# Altium PCB BMS Slave V0.1.PcbDoc (part 1 of 6) (continued)
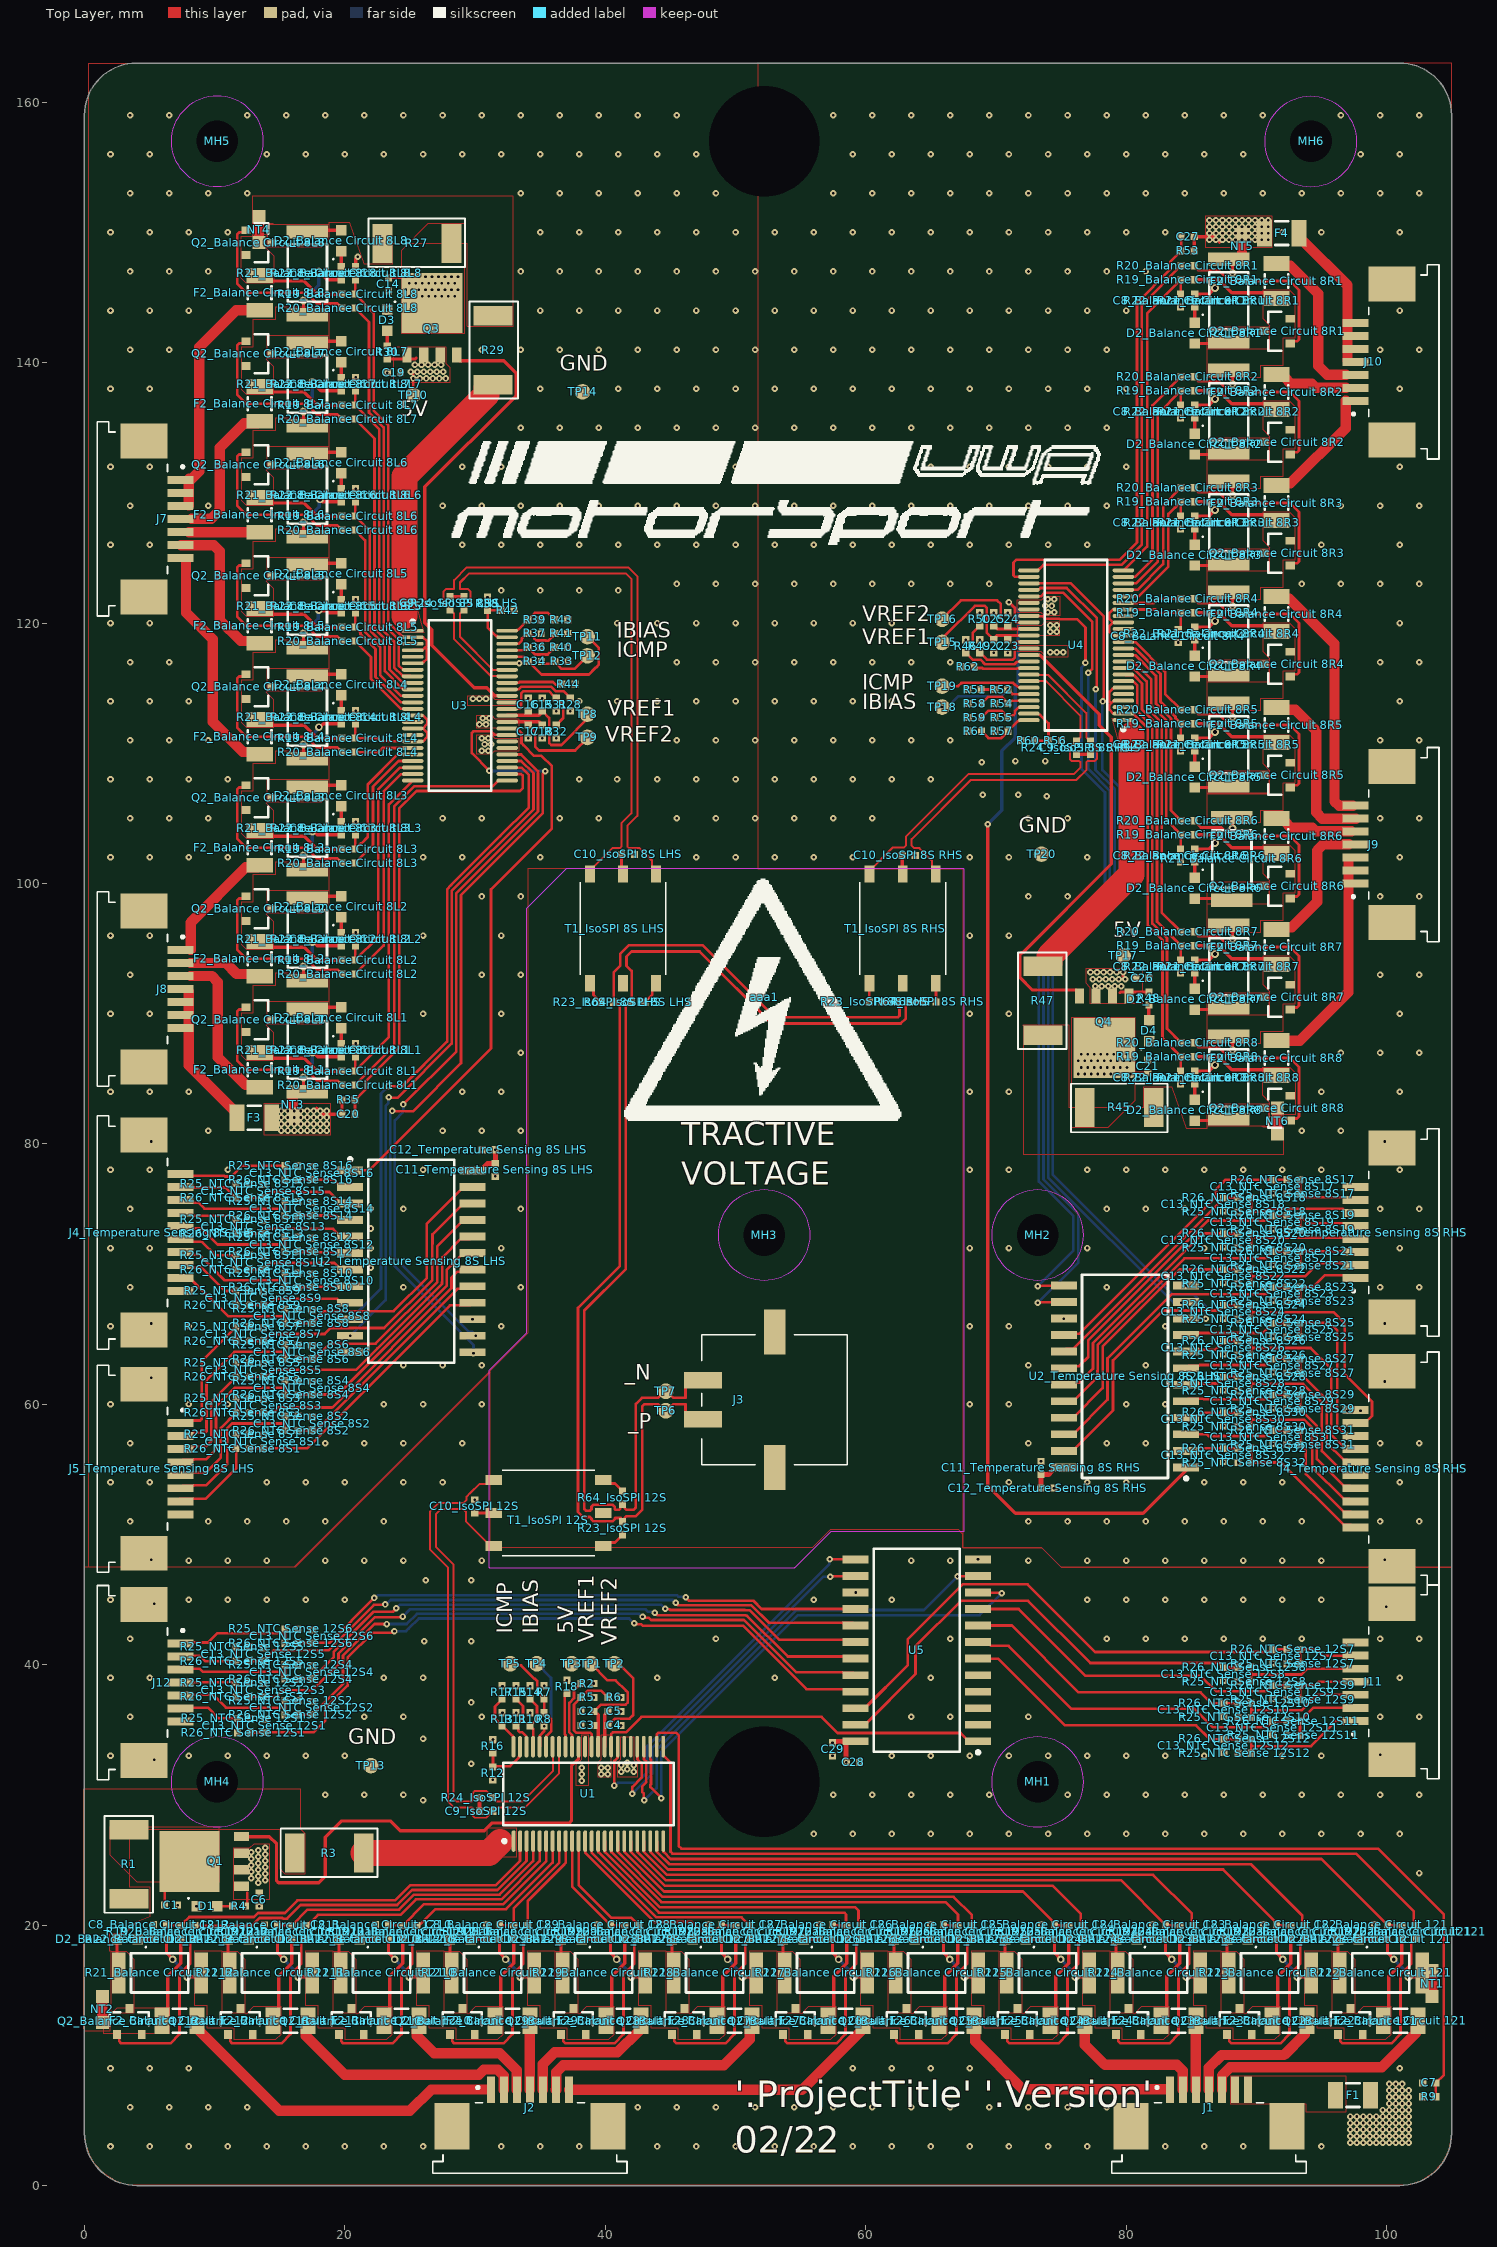
[diagram p0: Top Layer view]
## Design rules (kind name [scope] priority, off if disabled: settings) (continued)
RoomDefinition "NTC Sense 12S12" [InComponentClass('NTC Sense 12S12')] p14: confinementstyle=ConfineIn formatcopy=TRUE lockcomponents=FALSE outline 90.425,35.126 86.675,35.126 86.675,32.376 90.425,32.376
RoomDefinition "NTC Sense 12S1" [InComponentClass('NTC Sense 12S1')] p15: confinementstyle=ConfineIn formatcopy=TRUE lockcomponents=FALSE outline 10.825,33.95 14.575,33.95 14.575,36.7 10.825,36.7
RoomDefinition "NTC Sense 12S3" [InComponentClass('NTC Sense 12S3')] p16: confinementstyle=ConfineIn formatcopy=TRUE lockcomponents=FALSE outline 10.825,36.7 14.575,36.7 14.575,39.45 10.825,39.45
RoomDefinition "NTC Sense 12S5" [InComponentClass('NTC Sense 12S5')] p17: confinementstyle=ConfineIn formatcopy=TRUE lockcomponents=FALSE outline 10.825,39.45 14.575,39.45 14.575,42.2 10.825,42.2
RoomDefinition "NTC Sense 12S4" [InComponentClass('NTC Sense 12S4')] p18: confinementstyle=ConfineIn formatcopy=TRUE lockcomponents=FALSE outline 14.575,38.075 18.325,38.075 18.325,40.825 14.575,40.825
RoomDefinition "NTC Sense 12S6" [InComponentClass('NTC Sense 12S6')] p19: confinementstyle=ConfineIn formatcopy=TRUE lockcomponents=FALSE outline 14.575,40.825 18.325,40.825 18.325,43.575 14.575,43.575
RoomDefinition "NTC Sense 12S2" [InComponentClass('NTC Sense 12S2')] p20: confinementstyle=ConfineIn formatcopy=TRUE lockcomponents=FALSE outline 14.575,35.325 18.325,35.325 18.325,38.075 14.575,38.075
RoomDefinition "IsoSPI 12S" [InComponentClass('IsoSPI 12S')] p21: confinementstyle=ConfineIn formatcopy=TRUE lockcomponents=FALSE outline 29.15,27.925 42.15,27.925 42.15,56.025 29.15,56.025
RoomDefinition "Balance Circuit 1211" [InComponentClass('Balance Circuit 1211')] p22: confinementstyle=ConfineIn formatcopy=TRUE lockcomponents=FALSE outline 18.575,10.55 18.575,20.85 10.05,20.85 10.05,10.55
RoomDefinition "Balance Circuit 128" [InComponentClass('Balance Circuit 128')] p23: confinementstyle=ConfineIn formatcopy=TRUE lockcomponents=FALSE outline 44.15,10.55 44.15,20.85 35.625,20.85 35.625,10.55
RoomDefinition "Balance Circuit 129" [InComponentClass('Balance Circuit 129')] p24: confinementstyle=ConfineIn formatcopy=TRUE lockcomponents=FALSE outline 35.625,10.55 35.625,20.85 27.1,20.85 27.1,10.55
RoomDefinition "Balance Circuit 1210" [InComponentClass('Balance Circuit 1210')] p25: confinementstyle=ConfineIn formatcopy=TRUE lockcomponents=FALSE outline 27.1,10.55 27.1,20.85 18.575,20.85 18.575,10.55
RoomDefinition "Balance Circuit 121" [InComponentClass('Balance Circuit 121')] p26: confinementstyle=ConfineIn formatcopy=TRUE lockcomponents=FALSE outline 103.825,10.55 103.825,20.85 95.3,20.85 95.3,10.55
RoomDefinition "Balance Circuit 127" [InComponentClass('Balance Circuit 127')] p27: confinementstyle=ConfineIn formatcopy=TRUE lockcomponents=FALSE outline 52.675,10.55 52.675,20.85 44.15,20.85 44.15,10.55
RoomDefinition "Balance Circuit 126" [InComponentClass('Balance Circuit 126')] p28: confinementstyle=ConfineIn formatcopy=TRUE lockcomponents=FALSE outline 61.2,10.55 61.2,20.85 52.675,20.85 52.675,10.55
RoomDefinition "Balance Circuit 125" [InComponentClass('Balance Circuit 125')] p29: confinementstyle=ConfineIn formatcopy=TRUE lockcomponents=FALSE outline 69.725,10.55 69.725,20.85 61.2,20.85 61.2,10.55
RoomDefinition "Balance Circuit 124" [InComponentClass('Balance Circuit 124')] p30: confinementstyle=ConfineIn formatcopy=TRUE lockcomponents=FALSE outline 78.25,10.55 78.25,20.85 69.725,20.85 69.725,10.55
RoomDefinition "Balance Circuit 123" [InComponentClass('Balance Circuit 123')] p31: confinementstyle=ConfineIn formatcopy=TRUE lockcomponents=FALSE outline 86.775,10.55 86.775,20.85 78.25,20.85 78.25,10.55
RoomDefinition "Balance Circuit 122" [InComponentClass('Balance Circuit 122')] p32: confinementstyle=ConfineIn formatcopy=TRUE lockcomponents=FALSE outline 95.3,10.55 95.3,20.85 86.775,20.85 86.775,10.55
RoomDefinition "NTC Sense 8S2" [InComponentClass('NTC Sense 8S2')] p33: confinementstyle=ConfineIn formatcopy=TRUE lockcomponents=FALSE outline 14.575,57.149 18.325,57.149 18.325,59.899 14.575,59.899
RoomDefinition "NTC Sense 8S1" [InComponentClass('NTC Sense 8S1')] p34: confinementstyle=ConfineIn formatcopy=TRUE lockcomponents=FALSE outline 10.825,55.774 14.575,55.774 14.575,58.524 10.825,58.524
RoomDefinition "NTC Sense 8S3" [InComponentClass('NTC Sense 8S3')] p35: confinementstyle=ConfineIn formatcopy=TRUE lockcomponents=FALSE outline 10.825,58.524 14.575,58.524 14.575,61.274 10.825,61.274
RoomDefinition "NTC Sense 8S14" [InComponentClass('NTC Sense 8S14')] p36: confinementstyle=ConfineIn formatcopy=TRUE lockcomponents=FALSE outline 14.575,73.649 18.325,73.649 18.325,76.399 14.575,76.399
RoomDefinition "NTC Sense 8S12" [InComponentClass('NTC Sense 8S12')] p37: confinementstyle=ConfineIn formatcopy=TRUE lockcomponents=FALSE outline 14.575,70.899 18.325,70.899 18.325,73.649 14.575,73.649
RoomDefinition "NTC Sense 8S16" [InComponentClass('NTC Sense 8S16')] p38: confinementstyle=ConfineIn formatcopy=TRUE lockcomponents=FALSE outline 14.575,76.399 18.325,76.399 18.325,79.149 14.575,79.149
RoomDefinition "NTC Sense 8S8" [InComponentClass('NTC Sense 8S8')] p39: confinementstyle=ConfineIn formatcopy=TRUE lockcomponents=FALSE outline 14.575,65.399 18.325,65.399 18.325,68.149 14.575,68.149
RoomDefinition "NTC Sense 8S10" [InComponentClass('NTC Sense 8S10')] p40: confinementstyle=ConfineIn formatcopy=TRUE lockcomponents=FALSE outline 14.575,68.149 18.325,68.149 18.325,70.899 14.575,70.899
RoomDefinition "NTC Sense 8S4" [InComponentClass('NTC Sense 8S4')] p41: confinementstyle=ConfineIn formatcopy=TRUE lockcomponents=FALSE outline 14.575,59.899 18.325,59.899 18.325,62.649 14.575,62.649
RoomDefinition "NTC Sense 8S6" [InComponentClass('NTC Sense 8S6')] p42: confinementstyle=ConfineIn formatcopy=TRUE lockcomponents=FALSE outline 14.575,62.649 18.325,62.649 18.325,65.399 14.575,65.399
RoomDefinition "NTC Sense 8S7" [InComponentClass('NTC Sense 8S7')] p43: confinementstyle=ConfineIn formatcopy=TRUE lockcomponents=FALSE outline 10.825,64.024 14.575,64.024 14.575,66.774 10.825,66.774
RoomDefinition "NTC Sense 8S15" [InComponentClass('NTC Sense 8S15')] p44: confinementstyle=ConfineIn formatcopy=TRUE lockcomponents=FALSE outline 10.825,75.024 14.575,75.024 14.575,77.774 10.825,77.774
RoomDefinition "NTC Sense 8S13" [InComponentClass('NTC Sense 8S13')] p45: confinementstyle=ConfineIn formatcopy=TRUE lockcomponents=FALSE outline 10.825,72.274 14.575,72.274 14.575,75.024 10.825,75.024
RoomDefinition "NTC Sense 8S9" [InComponentClass('NTC Sense 8S9')] p46: confinementstyle=ConfineIn formatcopy=TRUE lockcomponents=FALSE outline 10.825,66.774 14.575,66.774 14.575,69.524 10.825,69.524
RoomDefinition "NTC Sense 8S11" [InComponentClass('NTC Sense 8S11')] p47: confinementstyle=ConfineIn formatcopy=TRUE lockcomponents=FALSE outline 10.825,69.524 14.575,69.524 14.575,72.274 10.825,72.274
RoomDefinition "NTC Sense 8S5" [InComponentClass('NTC Sense 8S5')] p48: confinementstyle=ConfineIn formatcopy=TRUE lockcomponents=FALSE outline 10.825,61.274 14.575,61.274 14.575,64.024 10.825,64.024
RoomDefinition "NTC Sense 8S32" [InComponentClass('NTC Sense 8S32')] p49: confinementstyle=ConfineIn formatcopy=TRUE lockcomponents=FALSE outline 90.425,57.451 86.675,57.451 86.675,54.701 90.425,54.701
RoomDefinition "NTC Sense 8S31" [InComponentClass('NTC Sense 8S31')] p50: confinementstyle=ConfineIn formatcopy=TRUE lockcomponents=FALSE outline 94.175,58.826 90.425,58.826 90.425,56.076 94.175,56.076
RoomDefinition "NTC Sense 8S30" [InComponentClass('NTC Sense 8S30')] p51: confinementstyle=ConfineIn formatcopy=TRUE lockcomponents=FALSE outline 90.425,60.201 86.675,60.201 86.675,57.451 90.425,57.451
RoomDefinition "NTC Sense 8S29" [InComponentClass('NTC Sense 8S29')] p52: confinementstyle=ConfineIn formatcopy=TRUE lockcomponents=FALSE outline 94.175,61.576 90.425,61.576 90.425,58.826 94.175,58.826
RoomDefinition "NTC Sense 8S28" [InComponentClass('NTC Sense 8S28')] p53: confinementstyle=ConfineIn formatcopy=TRUE lockcomponents=FALSE outline 90.425,62.951 86.675,62.951 86.675,60.201 90.425,60.201
RoomDefinition "NTC Sense 8S27" [InComponentClass('NTC Sense 8S27')] p54: confinementstyle=ConfineIn formatcopy=TRUE lockcomponents=FALSE outline 94.175,64.326 90.425,64.326 90.425,61.576 94.175,61.576
RoomDefinition "NTC Sense 8S26" [InComponentClass('NTC Sense 8S26')] p55: confinementstyle=ConfineIn formatcopy=TRUE lockcomponents=FALSE outline 90.425,65.701 86.675,65.701 86.675,62.951 90.425,62.951
RoomDefinition "NTC Sense 8S25" [InComponentClass('NTC Sense 8S25')] p56: confinementstyle=ConfineIn formatcopy=TRUE lockcomponents=FALSE outline 94.175,67.076 90.425,67.076 90.425,64.326 94.175,64.326
RoomDefinition "NTC Sense 8S24" [InComponentClass('NTC Sense 8S24')] p57: confinementstyle=ConfineIn formatcopy=TRUE lockcomponents=FALSE outline 90.425,68.451 86.675,68.451 86.675,65.701 90.425,65.701
RoomDefinition "NTC Sense 8S23" [InComponentClass('NTC Sense 8S23')] p58: confinementstyle=ConfineIn formatcopy=TRUE lockcomponents=FALSE outline 94.175,69.826 90.425,69.826 90.425,67.076 94.175,67.076
RoomDefinition "NTC Sense 8S22" [InComponentClass('NTC Sense 8S22')] p59: confinementstyle=ConfineIn formatcopy=TRUE lockcomponents=FALSE outline 90.425,71.201 86.675,71.201 86.675,68.451 90.425,68.451
RoomDefinition "NTC Sense 8S21" [InComponentClass('NTC Sense 8S21')] p60: confinementstyle=ConfineIn formatcopy=TRUE lockcomponents=FALSE outline 94.175,72.576 90.425,72.576 90.425,69.826 94.175,69.826
RoomDefinition "NTC Sense 8S20" [InComponentClass('NTC Sense 8S20')] p61: confinementstyle=ConfineIn formatcopy=TRUE lockcomponents=FALSE outline 90.425,73.951 86.675,73.951 86.675,71.201 90.425,71.201
RoomDefinition "NTC Sense 8S19" [InComponentClass('NTC Sense 8S19')] p62: confinementstyle=ConfineIn formatcopy=TRUE lockcomponents=FALSE outline 94.175,75.326 90.425,75.326 90.425,72.576 94.175,72.576
RoomDefinition "NTC Sense 8S18" [InComponentClass('NTC Sense 8S18')] p63: confinementstyle=ConfineIn formatcopy=TRUE lockcomponents=FALSE outline 90.425,76.701 86.675,76.701 86.675,73.951 90.425,73.951
RoomDefinition "NTC Sense 8S17" [InComponentClass('NTC Sense 8S17')] p64: confinementstyle=ConfineIn formatcopy=TRUE lockcomponents=FALSE outline 94.175,78.076 90.425,78.076 90.425,75.326 94.175,75.326
RoomDefinition "Balance Circuit 8R3" [InComponentClass('Balance Circuit 8R3')] p65: confinementstyle=ConfineIn formatcopy=TRUE lockcomponents=FALSE outline 93.5,131.95 83.35,131.95 83.35,123.325 93.5,123.325
RoomDefinition "Balance Circuit 8R2" [InComponentClass('Balance Circuit 8R2')] p66: confinementstyle=ConfineIn formatcopy=TRUE lockcomponents=FALSE outline 93.5,140.475 83.35,140.475 83.35,131.85 93.5,131.85
RoomDefinition "Balance Circuit 8R1" [InComponentClass('Balance Circuit 8R1')] p67: confinementstyle=ConfineIn formatcopy=TRUE lockcomponents=FALSE outline 93.5,149 83.35,149 83.35,140.375 93.5,140.375
RoomDefinition "Balance Circuit 8R7" [InComponentClass('Balance Circuit 8R7')] p68: confinementstyle=ConfineIn formatcopy=TRUE lockcomponents=FALSE outline 93.5,97.85 83.35,97.85 83.35,89.225 93.5,89.225
RoomDefinition "Balance Circuit 8R6" [InComponentClass('Balance Circuit 8R6')] p69: confinementstyle=ConfineIn formatcopy=TRUE lockcomponents=FALSE outline 93.5,106.175 83.35,106.175 83.35,97.65 93.5,97.65
RoomDefinition "Balance Circuit 8R5" [InComponentClass('Balance Circuit 8R5')] p70: confinementstyle=ConfineIn formatcopy=TRUE lockcomponents=FALSE outline 93.5,114.9 83.35,114.9 83.35,106.275 93.5,106.275
RoomDefinition "Balance Circuit 8R4" [InComponentClass('Balance Circuit 8R4')] p71: confinementstyle=ConfineIn formatcopy=TRUE lockcomponents=FALSE outline 93.5,123.425 83.35,123.425 83.35,114.8 93.5,114.8
RoomDefinition "IsoSPI 8S RHS" [InComponentClass('IsoSPI 8S RHS')] p72: confinementstyle=ConfineIn formatcopy=TRUE lockcomponents=FALSE outline 58,90 78.5,90 78.5,112 58,112
RoomDefinition "Balance Circuit 8R8" [InComponentClass('Balance Circuit 8R8')] p73: confinementstyle=ConfineIn formatcopy=TRUE lockcomponents=FALSE outline 93.5,89.325 83.35,89.325 83.35,80.7 93.5,80.7
RoomDefinition "IsoSPI 8S LHS" [InComponentClass('IsoSPI 8S LHS')] p74: confinementstyle=ConfineIn formatcopy=TRUE lockcomponents=FALSE outline 27.25,90 45.75,90 45.75,123 27.25,123
RoomDefinition "Balance Circuit 8L1" [InComponentClass('Balance Circuit 8L1')] p75: confinementstyle=ConfineIn formatcopy=TRUE lockcomponents=FALSE outline 11.35,82.935 21.65,82.935 21.65,91.46 11.35,91.46
RoomDefinition "Balance Circuit 8L2" [InComponentClass('Balance Circuit 8L2')] p76: confinementstyle=ConfineIn formatcopy=TRUE lockcomponents=FALSE outline 11.35,91.46 21.65,91.46 21.65,99.985 11.35,99.985
RoomDefinition "Balance Circuit 8L3" [InComponentClass('Balance Circuit 8L3')] p77: confinementstyle=ConfineIn formatcopy=TRUE lockcomponents=FALSE outline 11.35,99.985 21.65,99.985 21.65,108.51 11.35,108.51
RoomDefinition "Balance Circuit 8L4" [InComponentClass('Balance Circuit 8L4')] p78: confinementstyle=ConfineIn formatcopy=TRUE lockcomponents=FALSE outline 11.35,108.51 21.65,108.51 21.65,117.035 11.35,117.035
RoomDefinition "Balance Circuit 8L5" [InComponentClass('Balance Circuit 8L5')] p79: confinementstyle=ConfineIn formatcopy=TRUE lockcomponents=FALSE outline 11.35,117.035 21.65,117.035 21.65,125.56 11.35,125.56
RoomDefinition "Balance Circuit 8L6" [InComponentClass('Balance Circuit 8L6')] p80: confinementstyle=ConfineIn formatcopy=TRUE lockcomponents=FALSE outline 11.35,125.56 21.65,125.56 21.65,134.085 11.35,134.085
RoomDefinition "Balance Circuit 8L7" [InComponentClass('Balance Circuit 8L7')] p81: confinementstyle=ConfineIn formatcopy=TRUE lockcomponents=FALSE outline 11.35,134.085 21.65,134.085 21.65,142.61 11.35,142.61
RoomDefinition "Balance Circuit 8L8" [InComponentClass('Balance Circuit 8L8')] p82: confinementstyle=ConfineIn formatcopy=TRUE lockcomponents=FALSE outline 11.35,142.61 21.65,142.61 21.65,151.135 11.35,151.135
RoutingVias [All] p1: holewidth=0.3 width=0.6 viastyle="Through Hole" minholewidth=0.2 minwidth=0.4 maxholewidth=0.4 maxwidth=0.7
ShortCircuit ShortCircuit_NT [HasFootprint('NetTie')] p1: allowed=TRUE
ShortCircuit [All] p2: allowed=FALSE
SilkToSilkClearance [All] p1: silktosilkclearance=0
SilkToSolderMaskClearance [IsPad] p1: minsilkscreentomaskgap=0.152 clearancetoexposedcopper=TRUE
SolderMaskExpansion SolderMaskExpansion_NT [HasFootprint('NetTie')] p1: expansion=0.102 istentingtop=TRUE
SolderMaskExpansion SolderMaskExpansion_Via [isvia] p2: expansion=0.102 istentingtop=TRUE
SolderMaskExpansion [All] p3: expansion=0.051 istentingtop=FALSE
Width [All] p1: maxlimit=2.54 minlimit=0.203 preferedwidth=0.203
20 further rules are at their usual default settings.

## Classes and differential pairs
differential pair class isoSPI_BUS: isoSPI_Bus_1 "isoT_IsoSPI 8S LHS" "isoT_IsoSPI 8S RHS" "isoT_IsoSPI 12S"
net class IsoComms: isoSPI_Bus_1_N isoSPI_Bus_1_P
net class HighCurrent: 5V0_8L_1 5V0_8R_1 5V0_12_1 NetC1_2 NetC14_2 NetC21_2 V8L_0_4 V8R_0_5 V12_0_2 VBat8L VBat8R VBat12_12
component class "NTC Sense 12S12": "C13_NTC Sense 12S12" "R25_NTC Sense 12S12" "R26_NTC Sense 12S12"
component class "NTC Sense 12S11": "C13_NTC Sense 12S11" "R25_NTC Sense 12S11" "R26_NTC Sense 12S11"
component class "NTC Sense 12S10": "C13_NTC Sense 12S10" "R25_NTC Sense 12S10" "R26_NTC Sense 12S10"
component class "NTC Sense 12S9": "C13_NTC Sense 12S9" "R25_NTC Sense 12S9" "R26_NTC Sense 12S9"
component class "NTC Sense 12S8": "C13_NTC Sense 12S8" "R25_NTC Sense 12S8" "R26_NTC Sense 12S8"
component class "NTC Sense 12S7": "C13_NTC Sense 12S7" "R25_NTC Sense 12S7" "R26_NTC Sense 12S7"
component class "NTC Sense 12S6": "C13_NTC Sense 12S6" "R25_NTC Sense 12S6" "R26_NTC Sense 12S6"
component class "NTC Sense 12S5": "C13_NTC Sense 12S5" "R25_NTC Sense 12S5" "R26_NTC Sense 12S5"
component class "NTC Sense 12S4": "C13_NTC Sense 12S4" "R25_NTC Sense 12S4" "R26_NTC Sense 12S4"
component class "NTC Sense 12S3": "C13_NTC Sense 12S3" "R25_NTC Sense 12S3" "R26_NTC Sense 12S3"
component class "NTC Sense 12S2": "C13_NTC Sense 12S2" "R25_NTC Sense 12S2" "R26_NTC Sense 12S2"
component class "NTC Sense 12S1": "C13_NTC Sense 12S1" "R25_NTC Sense 12S1" "R26_NTC Sense 12S1"
component class "NTC Sense 8S32": "C13_NTC Sense 8S32" "R25_NTC Sense 8S32" "R26_NTC Sense 8S32"
component class "NTC Sense 8S31": "C13_NTC Sense 8S31" "R25_NTC Sense 8S31" "R26_NTC Sense 8S31"
component class "NTC Sense 8S30": "C13_NTC Sense 8S30" "R25_NTC Sense 8S30" "R26_NTC Sense 8S30"
component class "NTC Sense 8S29": "C13_NTC Sense 8S29" "R25_NTC Sense 8S29" "R26_NTC Sense 8S29"
component class "NTC Sense 8S28": "C13_NTC Sense 8S28" "R25_NTC Sense 8S28" "R26_NTC Sense 8S28"
component class "NTC Sense 8S27": "C13_NTC Sense 8S27" "R25_NTC Sense 8S27" "R26_NTC Sense 8S27"
component class "NTC Sense 8S26": "C13_NTC Sense 8S26" "R25_NTC Sense 8S26" "R26_NTC Sense 8S26"
component class "NTC Sense 8S25": "C13_NTC Sense 8S25" "R25_NTC Sense 8S25" "R26_NTC Sense 8S25"
component class "NTC Sense 8S24": "C13_NTC Sense 8S24" "R25_NTC Sense 8S24" "R26_NTC Sense 8S24"
component class "NTC Sense 8S23": "C13_NTC Sense 8S23" "R25_NTC Sense 8S23" "R26_NTC Sense 8S23"
component class "NTC Sense 8S22": "C13_NTC Sense 8S22" "R25_NTC Sense 8S22" "R26_NTC Sense 8S22"
component class "NTC Sense 8S21": "C13_NTC Sense 8S21" "R25_NTC Sense 8S21" "R26_NTC Sense 8S21"
component class "NTC Sense 8S20": "C13_NTC Sense 8S20" "R25_NTC Sense 8S20" "R26_NTC Sense 8S20"
component class "NTC Sense 8S19": "C13_NTC Sense 8S19" "R25_NTC Sense 8S19" "R26_NTC Sense 8S19"
component class "NTC Sense 8S18": "C13_NTC Sense 8S18" "R25_NTC Sense 8S18" "R26_NTC Sense 8S18"
component class "NTC Sense 8S17": "C13_NTC Sense 8S17" "R25_NTC Sense 8S17" "R26_NTC Sense 8S17"
component class "NTC Sense 8S16": "C13_NTC Sense 8S16" "R25_NTC Sense 8S16" "R26_NTC Sense 8S16"
component class "NTC Sense 8S15": "C13_NTC Sense 8S15" "R25_NTC Sense 8S15" "R26_NTC Sense 8S15"
component class "NTC Sense 8S14": "C13_NTC Sense 8S14" "R25_NTC Sense 8S14" "R26_NTC Sense 8S14"
component class "NTC Sense 8S13": "C13_NTC Sense 8S13" "R25_NTC Sense 8S13" "R26_NTC Sense 8S13"
component class "NTC Sense 8S12": "C13_NTC Sense 8S12" "R25_NTC Sense 8S12" "R26_NTC Sense 8S12"
component class "NTC Sense 8S11": "C13_NTC Sense 8S11" "R25_NTC Sense 8S11" "R26_NTC Sense 8S11"
component class "NTC Sense 8S10": "C13_NTC Sense 8S10" "R25_NTC Sense 8S10" "R26_NTC Sense 8S10"
component class "NTC Sense 8S9": "C13_NTC Sense 8S9" "R25_NTC Sense 8S9" "R26_NTC Sense 8S9"
component class "NTC Sense 8S8": "C13_NTC Sense 8S8" "R25_NTC Sense 8S8" "R26_NTC Sense 8S8"
component class "NTC Sense 8S7": "C13_NTC Sense 8S7" "R25_NTC Sense 8S7" "R26_NTC Sense 8S7"
component class "NTC Sense 8S6": "C13_NTC Sense 8S6" "R25_NTC Sense 8S6" "R26_NTC Sense 8S6"
component class "NTC Sense 8S5": "C13_NTC Sense 8S5" "R25_NTC Sense 8S5" "R26_NTC Sense 8S5"
component class "NTC Sense 8S4": "C13_NTC Sense 8S4" "R25_NTC Sense 8S4" "R26_NTC Sense 8S4"
component class "NTC Sense 8S3": "C13_NTC Sense 8S3" "R25_NTC Sense 8S3" "R26_NTC Sense 8S3"
component class "NTC Sense 8S2": "C13_NTC Sense 8S2" "R25_NTC Sense 8S2" "R26_NTC Sense 8S2"
component class "NTC Sense 8S1": "C13_NTC Sense 8S1" "R25_NTC Sense 8S1" "R26_NTC Sense 8S1"
channel class "Temperature Sensing 8S V0.1": "Temperature Sensing 8S LHS" "Temperature Sensing 8S RHS"
net class Out[16..1]: Out1 Out2 Out3 Out4 Out5 Out6 Out7 Out8 Out9 Out10 Out11 Out12
net class NTC[12..1]: NTC1 NTC2 NTC3 NTC4 NTC5 NTC6 NTC7 NTC8 NTC9 NTC10 NTC11 NTC12
component class "Temperature Sensing 12S RHS": C28 C29 J11 J12 U5
differential pair class isoSPI: "isoSPI._IsoSPI 8S LHS" "isoSPI._IsoSPI 8S RHS" "isoSPI._IsoSPI 12S"
net class "Temperature Sensing 8S RHS_Nets": "NTC1_Temperature Sensing 8S RHS" "NTC2_Temperature Sensing 8S RHS" "NTC3_Temperature Sensing 8S RHS" "NTC4_Temperature Sensing 8S RHS" "NTC5_Temperature Sensing 8S RHS" "NTC6_Temperature Sensing 8S RHS" "NTC7_Temperature Sensing 8S RHS" "NTC8_Temperature Sensing 8S RHS" "NTC9_Temperature Sensing 8S RHS" "NTC10_Temperature Sensing 8S RHS" "NTC11_Temperature Sensing 8S RHS" "NTC12_Temperature Sensing 8S RHS" "NTC13_Temperature Sensing 8S RHS" "NTC14_Temperature Sensing 8S RHS" "NTC15_Temperature Sensing 8S RHS" "NTC16_Temperature Sensing 8S RHS" "Out1_Temperature Sensing 8S RHS" "Out2_Temperature Sensing 8S RHS" "Out3_Temperature Sensing 8S RHS" "Out4_Temperature Sensing 8S RHS" "Out5_Temperature Sensing 8S RHS" "Out6_Temperature Sensing 8S RHS" "Out7_Temperature Sensing 8S RHS" "Out8_Temperature Sensing 8S RHS" "Out9_Temperature Sensing 8S RHS" "Out10_Temperature Sensing 8S RHS" "Out11_Temperature Sensing 8S RHS" "Out12_Temperature Sensing 8S RHS" "Out13_Temperature Sensing 8S RHS" "Out14_Temperature Sensing 8S RHS" "Out15_Temperature Sensing 8S RHS" "Out16_Temperature Sensing 8S RHS"
net class "Temperature Sensing 8S LHS_Nets": "NTC1_Temperature Sensing 8S LHS" "NTC2_Temperature Sensing 8S LHS" "NTC3_Temperature Sensing 8S LHS" "NTC4_Temperature Sensing 8S LHS" "NTC5_Temperature Sensing 8S LHS" "NTC6_Temperature Sensing 8S LHS" "NTC7_Temperature Sensing 8S LHS" "NTC8_Temperature Sensing 8S LHS" "NTC9_Temperature Sensing 8S LHS" "NTC10_Temperature Sensing 8S LHS" "NTC11_Temperature Sensing 8S LHS" "NTC12_Temperature Sensing 8S LHS" "NTC13_Temperature Sensing 8S LHS" "NTC14_Temperature Sensing 8S LHS" "NTC15_Temperature Sensing 8S LHS" "NTC16_Temperature Sensing 8S LHS" "Out1_Temperature Sensing 8S LHS" "Out2_Temperature Sensing 8S LHS" "Out3_Temperature Sensing 8S LHS" "Out4_Temperature Sensing 8S LHS" "Out5_Temperature Sensing 8S LHS" "Out6_Temperature Sensing 8S LHS" "Out7_Temperature Sensing 8S LHS" "Out8_Temperature Sensing 8S LHS" "Out9_Temperature Sensing 8S LHS" "Out10_Temperature Sensing 8S LHS" "Out11_Temperature Sensing 8S LHS" "Out12_Temperature Sensing 8S LHS" "Out13_Temperature Sensing 8S LHS" "Out14_Temperature Sensing 8S LHS" "Out15_Temperature Sensing 8S LHS" "Out16_Temperature Sensing 8S LHS"
net class "IsoSPI 12S_Nets": "isoT_IsoSPI 12S_N" "isoT_IsoSPI 12S_P" "NetC9_IsoSPI 12S_2" "NetC10_IsoSPI 12S_2" "NetT1_IsoSPI 12S_2"
net class "IsoSPI 8S RHS_Nets": "isoT_IsoSPI 8S RHS_N" "isoT_IsoSPI 8S RHS_P" "NetC9_IsoSPI 8S RHS_2" "NetC10_IsoSPI 8S RHS_2" "NetT1_IsoSPI 8S RHS_2"
net class "IsoSPI 8S LHS_Nets": "isoT_IsoSPI 8S LHS_N" "isoT_IsoSPI 8S LHS_P" "NetC9_IsoSPI 8S LHS_2" "NetC10_IsoSPI 8S LHS_2" "NetT1_IsoSPI 8S LHS_2"
component class "Cell Monitor 8S RHS": C21 C22 C23 C24 C25 C26 C27 D4 F4 J9 J10 NT5 NT6 Q4 R45 R46 R47 R48 R49 R50 R51 R52 R53 R54 R55 R56 R57 R58 R59 R60 R61 R62 TP15 TP16 TP17 TP18 TP19 TP20 U4
component class "Cell Monitor 8S LHS": C14 C15 C16 C17 C18 C19 C20 D3 F3 J7 J8 NT3 NT4 Q3 R27 R28 R29 R30 R31 R32 R33 R34 R35 R36 R37 R38 R39 R40 R41 R42 R43 R44 TP8 TP9 TP10 TP11 TP12 TP14 U3
channel class "NTC Sense V0.1": "NTC Sense 8S1" "NTC Sense 8S2" "NTC Sense 8S3" "NTC Sense 8S4" "NTC Sense 8S5" "NTC Sense 8S6" "NTC Sense 8S7" "NTC Sense 8S8" "NTC Sense 8S9" "NTC Sense 8S10" "NTC Sense 8S11" "NTC Sense 8S12" "NTC Sense 8S13" "NTC Sense 8S14" "NTC Sense 8S15" "NTC Sense 8S16" "NTC Sense 8S17" "NTC Sense 8S18" "NTC Sense 8S19" "NTC Sense 8S20" "NTC Sense 8S21" "NTC Sense 8S22" "NTC Sense 8S23" "NTC Sense 8S24" "NTC Sense 8S25" "NTC Sense 8S26" "NTC Sense 8S27" "NTC Sense 8S28" "NTC Sense 8S29" "NTC Sense 8S30" "NTC Sense 8S31" "NTC Sense 8S32" "NTC Sense 12S1" "NTC Sense 12S2" "NTC Sense 12S3" "NTC Sense 12S4" "NTC Sense 12S5" "NTC Sense 12S6" "NTC Sense 12S7" "NTC Sense 12S8" "NTC Sense 12S9" "NTC Sense 12S10" "NTC Sense 12S11" "NTC Sense 12S12" "NTC Sense 12S13" "NTC Sense 12S14" "NTC Sense 12S15" "NTC Sense 12S16"
channel class "IsoSPI V0.1": "IsoSPI 8S LHS" "IsoSPI 8S RHS" "IsoSPI 12S"
channel class "Balance V0.1": "Balance Circuit 8L1" "Balance Circuit 8L2" "Balance Circuit 8L3" "Balance Circuit 8L4" "Balance Circuit 8L5" "Balance Circuit 8L6" "Balance Circuit 8L7" "Balance Circuit 8L8" "Balance Circuit 8R1" "Balance Circuit 8R2" "Balance Circuit 8R3" "Balance Circuit 8R4" "Balance Circuit 8R5" "Balance Circuit 8R6" "Balance Circuit 8R7" "Balance Circuit 8R8" "Balance Circuit 121" "Balance Circuit 122" "Balance Circuit 123" "Balance Circuit 124" "Balance Circuit 125" "Balance Circuit 126" "Balance Circuit 127" "Balance Circuit 128" "Balance Circuit 129" "Balance Circuit 1210" "Balance Circuit 1211" "Balance Circuit 1212"
net class V12_[1..12]: V12_1 V12_2 V12_3 V12_4 V12_5 V12_6 V12_7 V12_8 V12_9 V12_10 V12_11 V12_12
net class V8R_[1..8]: V8R_1 V8R_2 V8R_3 V8R_4 V8R_5 V8R_6 V8R_7 V8R_8
net class V8L_[1..8]: V8L_1 V8L_2 V8L_3 V8L_4 V8L_5 V8L_6 V8L_7 V8L_8
net class T12_[1..12]: B12_2 B12_3 B12_4 B12_5 B12_6 B12_7 B12_8 B12_9 B12_10 B12_11 B12_12 T12_12
net class T8R_[1..8]: B8R_2 B8R_3 B8R_4 B8R_5 B8R_6 B8R_7 B8R_8 T8R_8
net class T8L_[1..8]: B8L_2 B8L_3 B8L_4 B8L_5 B8L_6 B8L_7 B8L_8 T8L_8
net class S12_[1..12]: S12_1 S12_2 S12_3 S12_4 S12_5 S12_6 S12_7 S12_8 S12_9 S12_10 S12_11 S12_12
net class S8R_[1..8]: S8R_1 S8R_2 S8R_3 S8R_4 S8R_5 S8R_6 S8R_7 S8R_8
net class S8L_[1..8]: S8L_1 S8L_2 S8L_3 S8L_4 S8L_5 S8L_6 S8L_7 S8L_8
net class C12_[1..12]: C12_1 C12_2 C12_3 C12_4 C12_5 C12_6 C12_7 C12_8 C12_9 C12_10 C12_11 C12_12
net class C8R_[1..8]: C8R_1 C8R_2 C8R_3 C8R_4 C8R_5 C8R_6 C8R_7 C8R_8
net class C8L_[1..8]: C8L_1 C8L_2 C8L_3 C8L_4 C8L_5 C8L_6 C8L_7 C8L_8
net class BalanceNetClass: B8L_1 B8L_2 B8L_3 B8L_4 B8L_5 B8L_6 B8L_7 B8L_8 B8R_1 B8R_2 B8R_3 B8R_4 B8R_5 B8R_6 B8R_7 B8R_8 B12_1 B12_2 B12_3 B12_4 B12_5 B12_6 B12_7 B12_8 B12_9 B12_10 B12_11 B12_12 "NetD2_Balance Circuit 8L1_2" "NetD2_Balance Circuit 8L2_2" "NetD2_Balance Circuit 8L3_2" "NetD2_Balance Circuit 8L4_2" "NetD2_Balance Circuit 8L5_2" "NetD2_Balance Circuit 8L6_2" "NetD2_Balance Circuit 8L7_2" "NetD2_Balance Circuit 8L8_2" "NetD2_Balance Circuit 8R1_2" "NetD2_Balance Circuit 8R2_2" "NetD2_Balance Circuit 8R3_2" "NetD2_Balance Circuit 8R4_2" "NetD2_Balance Circuit 8R5_2" "NetD2_Balance Circuit 8R6_2" "NetD2_Balance Circuit 8R7_2" "NetD2_Balance Circuit 8R8_2" "NetD2_Balance Circuit 121_2" "NetD2_Balance Circuit 122_2" "NetD2_Balance Circuit 123_2" "NetD2_Balance Circuit 124_2" "NetD2_Balance Circuit 125_2" "NetD2_Balance Circuit 126_2" "NetD2_Balance Circuit 127_2" "NetD2_Balance Circuit 128_2" "NetD2_Balance Circuit 129_2" "NetD2_Balance Circuit 1210_2" "NetD2_Balance Circuit 1211_2" "NetD2_Balance Circuit 1212_2" T8L_8 T8R_8 T12_12
net class B12_[1..12]: B12_1 B12_2 B12_3 B12_4 B12_5 B12_6 B12_7 B12_8 B12_9 B12_10 B12_11 B12_12
net class B8R_[1..8]: B8R_1 B8R_2 B8R_3 B8R_4 B8R_5 B8R_6 B8R_7 B8R_8
net class B8L_[1..8]: B8L_1 B8L_2 B8L_3 B8L_4 B8L_5 B8L_6 B8L_7 B8L_8
component class "Temperature Sensing 8S LHS": "C11_Temperature Sensing 8S LHS" "C12_Temperature Sensing 8S LHS" "J4_Temperature Sensing 8S LHS" "J5_Temperature Sensing 8S LHS" "U2_Temperature Sensing 8S LHS"
component class "Temperature Sensing 8S RHS": "C11_Temperature Sensing 8S RHS" "C12_Temperature Sensing 8S RHS" "J4_Temperature Sensing 8S RHS" "J5_Temperature Sensing 8S RHS" "U2_Temperature Sensing 8S RHS"
component class "IsoSPI 12S": "C9_IsoSPI 12S" "C10_IsoSPI 12S" "R23_IsoSPI 12S" "R24_IsoSPI 12S" "R64_IsoSPI 12S" "T1_IsoSPI 12S"
component class "IsoSPI 8S LHS": "C9_IsoSPI 8S LHS" "C10_IsoSPI 8S LHS" "R23_IsoSPI 8S LHS" "R24_IsoSPI 8S LHS" "R64_IsoSPI 8S LHS" "T1_IsoSPI 8S LHS"
component class "IsoSPI 8S RHS": "C9_IsoSPI 8S RHS" "C10_IsoSPI 8S RHS" "R23_IsoSPI 8S RHS" "R24_IsoSPI 8S RHS" "R64_IsoSPI 8S RHS" "T1_IsoSPI 8S RHS"
component class "Cell Monitor 12S": C1 C2 C3 C4 C5 C6 C7 D1 F1 J1 J2 NT1 NT2 Q1 R1 R2 R3 R4 R5 R6 R7 R8 R9 R10 R11 R12 R13 R14 R15 R16 R17 R18 TP1 TP2 TP3 TP4 TP5 TP13 U1
component class "BMS Slave V0.1": aaa1 J3 MH1 MH2 MH3 MH4 MH5 MH6 R63 TP6 TP7
component class "Balance Circuit 1212": "C8_Balance Circuit 1212" "D2_Balance Circuit 1212" "F2_Balance Circuit 1212" "Q2_Balance Circuit 1212" "R19_Balance Circuit 1212" "R20_Balance Circuit 1212" "R22_Balance Circuit 1212"
component class "Balance Circuit 1211": "C8_Balance Circuit 1211" "D2_Balance Circuit 1211" "F2_Balance Circuit 1211" "Q2_Balance Circuit 1211" "R19_Balance Circuit 1211" "R20_Balance Circuit 1211" "R22_Balance Circuit 1211"
component class "Balance Circuit 1210": "C8_Balance Circuit 1210" "D2_Balance Circuit 1210" "F2_Balance Circuit 1210" "Q2_Balance Circuit 1210" "R19_Balance Circuit 1210" "R20_Balance Circuit 1210" "R21_Balance Circuit 1210" "R22_Balance Circuit 1210"
component class "Balance Circuit 129": "C8_Balance Circuit 129" "D2_Balance Circuit 129" "F2_Balance Circuit 129" "Q2_Balance Circuit 129" "R19_Balance Circuit 129" "R20_Balance Circuit 129" "R21_Balance Circuit 129" "R22_Balance Circuit 129"
component class "Balance Circuit 128": "C8_Balance Circuit 128" "D2_Balance Circuit 128" "F2_Balance Circuit 128" "Q2_Balance Circuit 128" "R19_Balance Circuit 128" "R20_Balance Circuit 128" "R21_Balance Circuit 128" "R22_Balance Circuit 128"
component class "Balance Circuit 127": "C8_Balance Circuit 127" "D2_Balance Circuit 127" "F2_Balance Circuit 127" "Q2_Balance Circuit 127" "R19_Balance Circuit 127" "R20_Balance Circuit 127" "R21_Balance Circuit 127" "R22_Balance Circuit 127"
component class "Balance Circuit 126": "C8_Balance Circuit 126" "D2_Balance Circuit 126" "F2_Balance Circuit 126" "Q2_Balance Circuit 126" "R19_Balance Circuit 126" "R20_Balance Circuit 126" "R21_Balance Circuit 126" "R22_Balance Circuit 126"
component class "Balance Circuit 125": "C8_Balance Circuit 125" "D2_Balance Circuit 125" "F2_Balance Circuit 125" "Q2_Balance Circuit 125" "R19_Balance Circuit 125" "R20_Balance Circuit 125" "R21_Balance Circuit 125" "R22_Balance Circuit 125"
component class "Balance Circuit 124": "C8_Balance Circuit 124" "D2_Balance Circuit 124" "F2_Balance Circuit 124" "Q2_Balance Circuit 124" "R19_Balance Circuit 124" "R20_Balance Circuit 124" "R21_Balance Circuit 124" "R22_Balance Circuit 124"
component class "Balance Circuit 123": "C8_Balance Circuit 123" "D2_Balance Circuit 123" "F2_Balance Circuit 123" "Q2_Balance Circuit 123" "R19_Balance Circuit 123" "R20_Balance Circuit 123" "R21_Balance Circuit 123" "R22_Balance Circuit 123"
component class "Balance Circuit 122": "C8_Balance Circuit 122" "D2_Balance Circuit 122" "F2_Balance Circuit 122" "Q2_Balance Circuit 122" "R19_Balance Circuit 122" "R20_Balance Circuit 122" "R21_Balance Circuit 122" "R22_Balance Circuit 122"
component class "Balance Circuit 121": "C8_Balance Circuit 121" "D2_Balance Circuit 121" "F2_Balance Circuit 121" "Q2_Balance Circuit 121" "R19_Balance Circuit 121" "R20_Balance Circuit 121" "R21_Balance Circuit 121" "R22_Balance Circuit 121"
component class "Balance Circuit 8R8": "C8_Balance Circuit 8R8" "D2_Balance Circuit 8R8" "F2_Balance Circuit 8R8" "Q2_Balance Circuit 8R8" "R19_Balance Circuit 8R8" "R20_Balance Circuit 8R8" "R21_Balance Circuit 8R8" "R22_Balance Circuit 8R8"
component class "Balance Circuit 8R7": "C8_Balance Circuit 8R7" "D2_Balance Circuit 8R7" "F2_Balance Circuit 8R7" "Q2_Balance Circuit 8R7" "R19_Balance Circuit 8R7" "R20_Balance Circuit 8R7" "R21_Balance Circuit 8R7" "R22_Balance Circuit 8R7"
component class "Balance Circuit 8R6": "C8_Balance Circuit 8R6" "D2_Balance Circuit 8R6" "F2_Balance Circuit 8R6" "Q2_Balance Circuit 8R6" "R19_Balance Circuit 8R6" "R20_Balance Circuit 8R6" "R21_Balance Circuit 8R6" "R22_Balance Circuit 8R6"
component class "Balance Circuit 8R5": "C8_Balance Circuit 8R5" "D2_Balance Circuit 8R5" "F2_Balance Circuit 8R5" "Q2_Balance Circuit 8R5" "R19_Balance Circuit 8R5" "R20_Balance Circuit 8R5" "R21_Balance Circuit 8R5" "R22_Balance Circuit 8R5"
component class "Balance Circuit 8R4": "C8_Balance Circuit 8R4" "D2_Balance Circuit 8R4" "F2_Balance Circuit 8R4" "Q2_Balance Circuit 8R4" "R19_Balance Circuit 8R4" "R20_Balance Circuit 8R4" "R21_Balance Circuit 8R4" "R22_Balance Circuit 8R4"
component class "Balance Circuit 8R3": "C8_Balance Circuit 8R3" "D2_Balance Circuit 8R3" "F2_Balance Circuit 8R3" "Q2_Balance Circuit 8R3" "R19_Balance Circuit 8R3" "R20_Balance Circuit 8R3" "R21_Balance Circuit 8R3" "R22_Balance Circuit 8R3"
component class "Balance Circuit 8R2": "C8_Balance Circuit 8R2" "D2_Balance Circuit 8R2" "F2_Balance Circuit 8R2" "Q2_Balance Circuit 8R2" "R19_Balance Circuit 8R2" "R20_Balance Circuit 8R2" "R21_Balance Circuit 8R2" "R22_Balance Circuit 8R2"
component class "Balance Circuit 8R1": "C8_Balance Circuit 8R1" "D2_Balance Circuit 8R1" "F2_Balance Circuit 8R1" "Q2_Balance Circuit 8R1" "R19_Balance Circuit 8R1" "R20_Balance Circuit 8R1" "R21_Balance Circuit 8R1" "R22_Balance Circuit 8R1"
component class "Balance Circuit 8L8": "C8_Balance Circuit 8L8" "D2_Balance Circuit 8L8" "F2_Balance Circuit 8L8" "Q2_Balance Circuit 8L8" "R19_Balance Circuit 8L8" "R20_Balance Circuit 8L8" "R21_Balance Circuit 8L8" "R22_Balance Circuit 8L8"
component class "Balance Circuit 8L7": "C8_Balance Circuit 8L7" "D2_Balance Circuit 8L7" "F2_Balance Circuit 8L7" "Q2_Balance Circuit 8L7" "R19_Balance Circuit 8L7" "R20_Balance Circuit 8L7" "R21_Balance Circuit 8L7" "R22_Balance Circuit 8L7"
component class "Balance Circuit 8L6": "C8_Balance Circuit 8L6" "D2_Balance Circuit 8L6" "F2_Balance Circuit 8L6" "Q2_Balance Circuit 8L6" "R19_Balance Circuit 8L6" "R20_Balance Circuit 8L6" "R21_Balance Circuit 8L6" "R22_Balance Circuit 8L6"
component class "Balance Circuit 8L5": "C8_Balance Circuit 8L5" "D2_Balance Circuit 8L5" "F2_Balance Circuit 8L5" "Q2_Balance Circuit 8L5" "R19_Balance Circuit 8L5" "R20_Balance Circuit 8L5" "R21_Balance Circuit 8L5" "R22_Balance Circuit 8L5"
component class "Balance Circuit 8L4": "C8_Balance Circuit 8L4" "D2_Balance Circuit 8L4" "F2_Balance Circuit 8L4" "Q2_Balance Circuit 8L4" "R19_Balance Circuit 8L4" "R20_Balance Circuit 8L4" "R21_Balance Circuit 8L4" "R22_Balance Circuit 8L4"
component class "Balance Circuit 8L3": "C8_Balance Circuit 8L3" "D2_Balance Circuit 8L3" "F2_Balance Circuit 8L3" "Q2_Balance Circuit 8L3" "R19_Balance Circuit 8L3" "R20_Balance Circuit 8L3" "R21_Balance Circuit 8L3" "R22_Balance Circuit 8L3"
component class "Balance Circuit 8L2": "C8_Balance Circuit 8L2" "D2_Balance Circuit 8L2" "F2_Balance Circuit 8L2" "Q2_Balance Circuit 8L2" "R19_Balance Circuit 8L2" "R20_Balance Circuit 8L2" "R21_Balance Circuit 8L2" "R22_Balance Circuit 8L2"
component class "Balance Circuit 8L1": "C8_Balance Circuit 8L1" "D2_Balance Circuit 8L1" "F2_Balance Circuit 8L1" "Q2_Balance Circuit 8L1" "R19_Balance Circuit 8L1" "R20_Balance Circuit 8L1" "R21_Balance Circuit 8L1" "R22_Balance Circuit 8L1"
differential pair isoSPI_Bus_1: +isoSPI_Bus_1_P -isoSPI_Bus_1_N
differential pair "isoT_IsoSPI 12S": +"isoT_IsoSPI 12S_P" -"isoT_IsoSPI 12S_N"
differential pair "isoT_IsoSPI 8S RHS": +"isoT_IsoSPI 8S RHS_P" -"isoT_IsoSPI 8S RHS_N"
differential pair "isoT_IsoSPI 8S LHS": +"isoT_IsoSPI 8S LHS_P" -"isoT_IsoSPI 8S LHS_N"
differential pair "isoSPI._IsoSPI 12S": +"isoSPI._IsoSPI 12S_P" -"isoSPI._IsoSPI 12S_N"
differential pair "isoSPI._IsoSPI 8S RHS": +"isoSPI._IsoSPI 8S RHS_P" -"isoSPI._IsoSPI 8S RHS_N"
differential pair "isoSPI._IsoSPI 8S LHS": +"isoSPI._IsoSPI 8S LHS_P" -"isoSPI._IsoSPI 8S LHS_N"

## Components (designator, comment, footprint, x,y, rotation, side; value= is the part's Value field where it differs from the comment)
aaa1 "Tractive voltage symbol" "Tractive voltage" 52.25,91.25 r0 top
C1 "GRM155R62A104KE14D" C_0402 6.653,21.538 r180 top value=100nF
C2 "EMK105BJ105KV-F" C_0402 38.628,36.406 r0 top value=1uF
C3 "GRM155R62A104KE14D" C_0402 38.628,35.331 r0 top value=100nF
C4 "GRM155R62A104KE14D" C_0402 40.703,35.331 r180 top value=100nF
C5 "EMK105BJ105KV-F" C_0402 40.703,36.406 r180 top value=1uF
C6 "EMK105BJ105KV-F" C_0402 13.428,21.963 r90 top value=1uF
C7 "C1005X7S2A103M050BB" C_0402 103.275,7.875 r0 top value=10nF
"C8_Balance Circuit 8L1" "C1005X7S2A103M050BB" C_0402 20.825,87.185 r270 top value=10nF (schematic designator C8)
"C8_Balance Circuit 8L2" "C1005X7S2A103M050BB" C_0402 20.825,95.71 r270 top value=10nF (schematic designator C8)
"C8_Balance Circuit 8L3" "C1005X7S2A103M050BB" C_0402 20.825,104.235 r270 top value=10nF (schematic designator C8)
"C8_Balance Circuit 8L4" "C1005X7S2A103M050BB" C_0402 20.825,112.76 r270 top value=10nF (schematic designator C8)
"C8_Balance Circuit 8L5" "C1005X7S2A103M050BB" C_0402 20.825,121.285 r270 top value=10nF (schematic designator C8)
"C8_Balance Circuit 8L6" "C1005X7S2A103M050BB" C_0402 20.825,129.81 r270 top value=10nF (schematic designator C8)
"C8_Balance Circuit 8L7" "C1005X7S2A103M050BB" C_0402 20.825,138.335 r270 top value=10nF (schematic designator C8)
"C8_Balance Circuit 8L8" "C1005X7S2A103M050BB" C_0402 20.825,146.86 r270 top value=10nF (schematic designator C8)
"C8_Balance Circuit 8R1" "C1005X7S2A103M050BB" C_0402 84.175,144.765 r90 top value=10nF (schematic designator C8)
"C8_Balance Circuit 8R2" "C1005X7S2A103M050BB" C_0402 84.175,136.24 r90 top value=10nF (schematic designator C8)
"C8_Balance Circuit 8R3" "C1005X7S2A103M050BB" C_0402 84.175,127.715 r90 top value=10nF (schematic designator C8)
"C8_Balance Circuit 8R4" "C1005X7S2A103M050BB" C_0402 84,119 r90 top value=10nF (schematic designator C8)
"C8_Balance Circuit 8R5" "C1005X7S2A103M050BB" C_0402 84.175,110.665 r90 top value=10nF (schematic designator C8)
"C8_Balance Circuit 8R6" "C1005X7S2A103M050BB" C_0402 84.175,102.14 r90 top value=10nF (schematic designator C8)
"C8_Balance Circuit 8R7" "C1005X7S2A103M050BB" C_0402 84.175,93.615 r90 top value=10nF (schematic designator C8)
"C8_Balance Circuit 8R8" "C1005X7S2A103M050BB" C_0402 84.175,85.09 r90 top value=10nF (schematic designator C8)
"C8_Balance Circuit 121" "C1005X7S2A103M050BB" C_0402 99.575,20.025 r0 top value=10nF (schematic designator C8)
"C8_Balance Circuit 122" "C1005X7S2A103M050BB" C_0402 91.05,20.025 r0 top value=10nF (schematic designator C8)
"C8_Balance Circuit 123" "C1005X7S2A103M050BB" C_0402 82.525,20.025 r0 top value=10nF (schematic designator C8)
"C8_Balance Circuit 124" "C1005X7S2A103M050BB" C_0402 74,20.025 r0 top value=10nF (schematic designator C8)
"C8_Balance Circuit 125" "C1005X7S2A103M050BB" C_0402 65.475,20.025 r0 top value=10nF (schematic designator C8)
"C8_Balance Circuit 126" "C1005X7S2A103M050BB" C_0402 56.95,20.025 r0 top value=10nF (schematic designator C8)
"C8_Balance Circuit 127" "C1005X7S2A103M050BB" C_0402 48.425,20.025 r0 top value=10nF (schematic designator C8)
"C8_Balance Circuit 128" "C1005X7S2A103M050BB" C_0402 39.9,20.025 r0 top value=10nF (schematic designator C8)
"C8_Balance Circuit 129" "C1005X7S2A103M050BB" C_0402 31.375,20.025 r0 top value=10nF (schematic designator C8)
"C8_Balance Circuit 1210" "C1005X7S2A103M050BB" C_0402 22.85,20.025 r0 top value=10nF (schematic designator C8)
"C8_Balance Circuit 1211" "C1005X7S2A103M050BB" C_0402 14.325,20 r0 top value=10nF (schematic designator C8)
"C8_Balance Circuit 1212" "C1005X7S2A103M050BB" C_0402 5.8,20.025 r0 top value=10nF (schematic designator C8)
"C9_IsoSPI 8S LHS" "885012005026" C_0402 28.075,121.525 r90 top value=15pF (schematic designator C9)
"C9_IsoSPI 8S RHS" "885012005026" C_0402 77.25,110.425 r270 top value=15pF (schematic designator C9)
"C9_IsoSPI 12S" "885012005026" C_0402 30.85,28.75 r180 top value=15pF (schematic designator C9)
"C10_IsoSPI 8S LHS" "C1005X7S2A103M050BB" C_0402 41.75,102.225 r180 top value=10nF (schematic designator C10)
"C10_IsoSPI 8S RHS" "C1005X7S2A103M050BB" C_0402 63.3,102.15 r180 top value=10nF (schematic designator C10)
"C10_IsoSPI 12S" "C1005X7S2A103M050BB" C_0402 29.975,52.15 r270 top value=10nF (schematic designator C10)
"C11_Temperature Sensing 8S LHS" "GRM155R62A104KE14D" C_0402 31.55,78 r270 top value=100nF (schematic designator C11)
"C11_Temperature Sensing 8S RHS" "GRM155R62A104KE14D" C_0402 73.462,55.113 r90 top value=100nF (schematic designator C11)
"C12_Temperature Sensing 8S LHS" "EMK105BJ105KV-F" C_0402 31.05,79.55 r0 top value=1uF (schematic designator C12)
"C12_Temperature Sensing 8S RHS" "EMK105BJ105KV-F" C_0402 73.963,53.563 r180 top value=1uF (schematic designator C12)
"C13_NTC Sense 8S1" "C1005X7S2A103M050BB" C_0402 13.75,57.125 r270 top value=10nF (schematic designator C13)
"C13_NTC Sense 8S2" "C1005X7S2A103M050BB" C_0402 17.5,58.5 r270 top value=10nF (schematic designator C13)
"C13_NTC Sense 8S3" "C1005X7S2A103M050BB" C_0402 13.75,59.875 r270 top value=10nF (schematic designator C13)
"C13_NTC Sense 8S4" "C1005X7S2A103M050BB" C_0402 17.5,61.25 r270 top value=10nF (schematic designator C13)
"C13_NTC Sense 8S5" "C1005X7S2A103M050BB" C_0402 13.75,62.625 r270 top value=10nF (schematic designator C13)
"C13_NTC Sense 8S6" "C1005X7S2A103M050BB" C_0402 17.5,64 r270 top value=10nF (schematic designator C13)
"C13_NTC Sense 8S7" "C1005X7S2A103M050BB" C_0402 13.75,65.375 r270 top value=10nF (schematic designator C13)
"C13_NTC Sense 8S8" "C1005X7S2A103M050BB" C_0402 17.5,66.75 r270 top value=10nF (schematic designator C13)
"C13_NTC Sense 8S9" "C1005X7S2A103M050BB" C_0402 13.75,68.125 r270 top value=10nF (schematic designator C13)
"C13_NTC Sense 8S10" "C1005X7S2A103M050BB" C_0402 17.5,69.5 r270 top value=10nF (schematic designator C13)
"C13_NTC Sense 8S11" "C1005X7S2A103M050BB" C_0402 13.75,70.875 r270 top value=10nF (schematic designator C13)